# KiCad board demomatrix.kicad_pcb (continued)
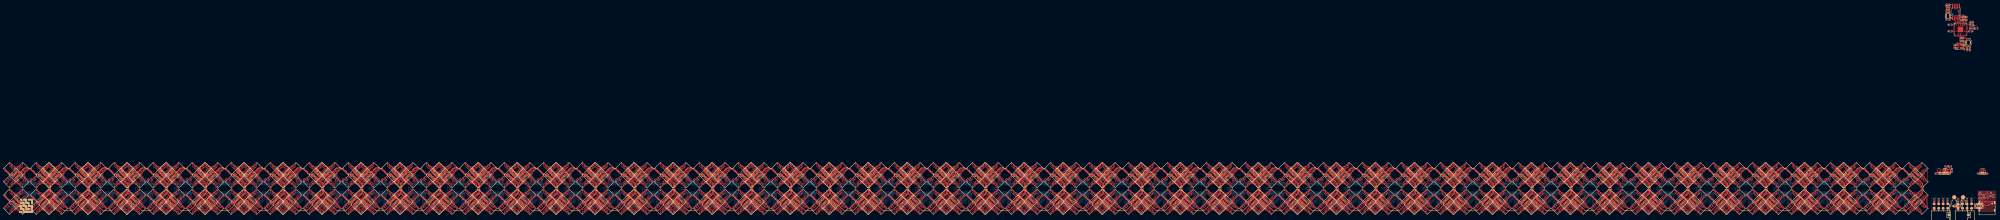
[diagram p0: board, top side]
## Routing (per net, layer and track width the routed paths; a pad name or vN(x,y) marks a point on that pad's centre or on a via; arc(x,y) is an arc through that point) (continued)
rgbs[1]-anodes-anode-457: length 12.6
  Top w0.2: LED570.2 -460.21,12.06 -460.21,10.49 -462.37,8.34 -462.95,8.34 -463.53,8.92 -463.84,8.92 -464.43,8.34 -465.01,8.34 -467.17,10.5 -467.17,12.06 LED569.1
rgbs[1]-anodes-anode-458: length 4
  Top w0.2: LED570.6 -462.1,10.56 -463.12,10.56 -463.56,10.12 -463.82,10.12 -464.27,10.57 -465.47,10.57 LED569.5
rgbs[1]-anodes-anode-459: length 1.7
  Top w0.2: LED569.7 -464.42,9.72 -462.96,9.72 LED570.8
rgbs[1]-anodes-anode-460: length 9.3
  Top w0.2: LED573.3 -451.33,11.2 -451.33,10.22 -449.84,8.74 -449.59,8.74 -449.01,9.32 -448.37,9.32 -447.79,8.74 -447.54,8.74 -446.06,10.22 -446.06,11.21 LED574.4
rgbs[1]-anodes-anode-461: length 12.6
  Top w0.2: LED574.2 -445.21,12.06 -445.21,10.49 -447.37,8.34 -447.95,8.34 -448.53,8.92 -448.84,8.92 -449.43,8.34 -450.01,8.34 -452.17,10.5 -452.17,12.06 LED573.1
rgbs[1]-anodes-anode-462: length 4
  Top w0.2: LED574.6 -447.1,10.56 -448.12,10.56 -448.56,10.12 -448.82,10.12 -449.27,10.57 -450.47,10.57 LED573.5
rgbs[1]-anodes-anode-463: length 1.7
  Top w0.2: LED573.7 -449.42,9.72 -447.96,9.72 LED574.8
rgbs[1]-anodes-anode-464: length 9.3
  Top w0.2: LED577.3 -444.33,26.2 -444.33,25.22 -442.84,23.74 -442.59,23.74 -442.01,24.32 -441.37,24.32 -440.79,23.74 -440.54,23.74 -439.06,25.22 -439.06,26.21 LED578.4
rgbs[1]-anodes-anode-465: length 12.6
  Top w0.2: LED577.1 -445.17,27.06 -445.17,25.5 -443.01,23.34 -442.43,23.34 -441.84,23.92 -441.53,23.92 -440.95,23.34 -440.37,23.34 -438.21,25.49 -438.21,27.06 LED578.2
rgbs[1]-anodes-anode-466: length 4
  Top w0.2: LED578.6 -440.1,25.56 -441.12,25.56 -441.56,25.12 -441.82,25.12 -442.27,25.57 -443.47,25.57 LED577.5
rgbs[1]-anodes-anode-467: length 1.7
  Top w0.2: LED577.7 -442.42,24.72 -440.96,24.72 LED578.8
rgbs[1]-anodes-anode-468: length 9.3
  Top w0.2: LED582.4 -424.06,26.21 -424.06,25.22 -425.54,23.74 -425.79,23.74 -426.37,24.32 -427.01,24.32 -427.59,23.74 -427.84,23.74 -429.33,25.22 -429.33,26.2 LED581.3
rgbs[1]-anodes-anode-469: length 12.6
  Top w0.2: LED582.2 -423.21,27.06 -423.21,25.49 -425.37,23.34 -425.95,23.34 -426.53,23.92 -426.84,23.92 -427.43,23.34 -428.01,23.34 -430.17,25.5 -430.17,27.06 LED581.1
rgbs[1]-anodes-anode-470: length 4
  Top w0.2: LED581.5 -428.47,25.57 -427.27,25.57 -426.82,25.12 -426.56,25.12 -426.12,25.56 -425.1,25.56 LED582.6
rgbs[1]-anodes-anode-471: length 1.7
  Top w0.2: LED582.8 -425.96,24.72 -427.42,24.72 LED581.7
rgbs[1]-anodes-anode-472: length 9.3
  Top w0.2: LED585.3 -444.33,11.2 -444.33,10.22 -442.84,8.74 -442.59,8.74 -442.01,9.32 -441.37,9.32 -440.79,8.74 -440.54,8.74 -439.06,10.22 -439.06,11.21 LED586.4
rgbs[1]-anodes-anode-473: length 12.6
  Top w0.2: LED585.1 -445.17,12.06 -445.17,10.5 -443.01,8.34 -442.43,8.34 -441.84,8.92 -441.53,8.92 -440.95,8.34 -440.37,8.34 -438.21,10.49 -438.21,12.06 LED586.2
rgbs[1]-anodes-anode-474: length 4
  Top w0.2: LED585.5 -443.47,10.57 -442.27,10.57 -441.82,10.12 -441.56,10.12 -441.12,10.56 -440.1,10.56 LED586.6
rgbs[1]-anodes-anode-475: length 1.7
  Top w0.2: LED585.7 -442.42,9.72 -440.96,9.72 LED586.8
rgbs[1]-anodes-anode-476: length 9.3
  Top w0.2: LED590.4 -424.06,11.21 -424.06,10.22 -425.54,8.74 -425.79,8.74 -426.37,9.32 -427.01,9.32 -427.59,8.74 -427.84,8.74 -429.33,10.22 -429.33,11.2 LED589.3
rgbs[1]-anodes-anode-477: length 12.6
  Top w0.2: LED589.1 -430.17,12.06 -430.17,10.5 -428.01,8.34 -427.43,8.34 -426.84,8.92 -426.53,8.92 -425.95,8.34 -425.37,8.34 -423.21,10.49 -423.21,12.06 LED590.2
rgbs[1]-anodes-anode-478: length 4
  Top w0.2: LED589.5 -428.47,10.57 -427.27,10.57 -426.82,10.12 -426.56,10.12 -426.12,10.56 -425.1,10.56 LED590.6
rgbs[1]-anodes-anode-479: length 1.7
  Top w0.2: LED590.8 -425.96,9.72 -427.42,9.72 LED589.7
rgbs[1]-anodes-anode-480: length 9.3
  Top w0.2: LED594.4 -417.06,26.21 -417.06,25.22 -418.54,23.74 -418.79,23.74 -419.37,24.32 -420.01,24.32 -420.59,23.74 -420.84,23.74 -422.33,25.22 -422.33,26.2 LED593.3
rgbs[1]-anodes-anode-481: length 12.6
  Top w0.2: LED593.1 -423.17,27.06 -423.17,25.5 -421.01,23.34 -420.43,23.34 -419.84,23.92 -419.53,23.92 -418.95,23.34 -418.37,23.34 -416.21,25.49 -416.21,27.06 LED594.2
rgbs[1]-anodes-anode-482: length 4
  Top w0.2: LED594.6 -418.1,25.56 -419.12,25.56 -419.56,25.12 -419.82,25.12 -420.27,25.57 -421.47,25.57 LED593.5
rgbs[1]-anodes-anode-483: length 1.7
  Top w0.2: LED593.7 -420.42,24.72 -418.96,24.72 LED594.8
rgbs[1]-anodes-anode-484: length 9.3
  Top w0.2: LED597.3 -407.33,26.2 -407.33,25.22 -405.84,23.74 -405.59,23.74 -405.01,24.32 -404.37,24.32 -403.79,23.74 -403.54,23.74 -402.06,25.22 -402.06,26.21 LED598.4
rgbs[1]-anodes-anode-485: length 12.6
  Top w0.2: LED598.2 -401.21,27.06 -401.21,25.49 -403.37,23.34 -403.95,23.34 -404.53,23.92 -404.84,23.92 -405.43,23.34 -406.01,23.34 -408.17,25.5 -408.17,27.06 LED597.1
rgbs[1]-anodes-anode-486: length 4
  Top w0.2: LED597.5 -406.47,25.57 -405.27,25.57 -404.82,25.12 -404.56,25.12 -404.12,25.56 -403.1,25.56 LED598.6
rgbs[1]-anodes-anode-487: length 1.7
  Top w0.2: LED597.7 -405.42,24.72 -403.96,24.72 LED598.8
rgbs[1]-anodes-anode-488: length 9.3
  Top w0.2: LED601.3 -422.33,11.2 -422.33,10.22 -420.84,8.74 -420.59,8.74 -420.01,9.32 -419.37,9.32 -418.79,8.74 -418.54,8.74 -417.06,10.22 -417.06,11.21 LED602.4
rgbs[1]-anodes-anode-489: length 12.6
  Top w0.2: LED601.1 -423.17,12.06 -423.17,10.5 -421.01,8.34 -420.43,8.34 -419.84,8.92 -419.53,8.92 -418.95,8.34 -418.37,8.34 -416.21,10.49 -416.21,12.06 LED602.2
rgbs[1]-anodes-anode-490: length 4
  Top w0.2: LED601.5 -421.47,10.57 -420.27,10.57 -419.82,10.12 -419.56,10.12 -419.12,10.56 -418.1,10.56 LED602.6
rgbs[1]-anodes-anode-491: length 1.7
  Top w0.2: LED602.8 -418.96,9.72 -420.42,9.72 LED601.7
rgbs[1]-anodes-anode-492: length 9.3
  Top w0.2: LED606.4 -402.06,11.21 -402.06,10.22 -403.54,8.74 -403.79,8.74 -404.37,9.32 -405.01,9.32 -405.59,8.74 -405.84,8.74 -407.33,10.22 -407.33,11.2 LED605.3
rgbs[1]-anodes-anode-493: length 12.6
  Top w0.2: LED606.2 -401.21,12.06 -401.21,10.49 -403.37,8.34 -403.95,8.34 -404.53,8.92 -404.84,8.92 -405.43,8.34 -406.01,8.34 -408.17,10.5 -408.17,12.06 LED605.1
rgbs[1]-anodes-anode-494: length 4
  Top w0.2: LED606.6 -403.1,10.56 -404.12,10.56 -404.56,10.12 -404.82,10.12 -405.27,10.57 -406.47,10.57 LED605.5
rgbs[1]-anodes-anode-495: length 1.7
  Top w0.2: LED606.8 -403.96,9.72 -405.42,9.72 LED605.7
rgbs[1]-anodes-anode-496: length 9.3
  Top w0.2: LED610.4 -395.06,26.21 -395.06,25.22 -396.54,23.74 -396.79,23.74 -397.37,24.32 -398.01,24.32 -398.59,23.74 -398.84,23.74 -400.33,25.22 -400.33,26.2 LED609.3
rgbs[1]-anodes-anode-497: length 12.6
  Top w0.2: LED609.1 -401.17,27.06 -401.17,25.5 -399.01,23.34 -398.43,23.34 -397.84,23.92 -397.53,23.92 -396.95,23.34 -396.37,23.34 -394.21,25.49 -394.21,27.06 LED610.2
rgbs[1]-anodes-anode-498: length 4
  Top w0.2: LED609.5 -399.47,25.57 -398.27,25.57 -397.82,25.12 -397.56,25.12 -397.12,25.56 -396.1,25.56 LED610.6
rgbs[1]-anodes-anode-499: length 1.7
  Top w0.2: LED609.7 -398.42,24.72 -396.96,24.72 LED610.8
rgbs[1]-anodes-anode-500: length 9.3
  Top w0.2: LED613.3 -385.33,26.2 -385.33,25.22 -383.84,23.74 -383.59,23.74 -383.01,24.32 -382.37,24.32 -381.79,23.74 -381.54,23.74 -380.06,25.22 -380.06,26.21 LED614.4
rgbs[1]-anodes-anode-501: length 12.6
  Top w0.2: LED614.2 -379.21,27.06 -379.21,25.49 -381.37,23.34 -381.95,23.34 -382.53,23.92 -382.84,23.92 -383.43,23.34 -384.01,23.34 -386.17,25.5 -386.17,27.06 LED613.1
rgbs[1]-anodes-anode-502: length 4
  Top w0.2: LED614.6 -381.1,25.56 -382.12,25.56 -382.56,25.12 -382.82,25.12 -383.27,25.57 -384.47,25.57 LED613.5
rgbs[1]-anodes-anode-503: length 1.7
  Top w0.2: LED614.8 -381.96,24.72 -383.42,24.72 LED613.7
rgbs[1]-anodes-anode-504: length 9.3
  Top w0.2: LED617.3 -400.33,11.2 -400.33,10.22 -398.84,8.74 -398.59,8.74 -398.01,9.32 -397.37,9.32 -396.79,8.74 -396.54,8.74 -395.06,10.22 -395.06,11.21 LED618.4
rgbs[1]-anodes-anode-505: length 12.6
  Top w0.2: LED617.1 -401.17,12.06 -401.17,10.5 -399.01,8.34 -398.43,8.34 -397.84,8.92 -397.53,8.92 -396.95,8.34 -396.37,8.34 -394.21,10.49 -394.21,12.06 LED618.2
rgbs[1]-anodes-anode-506: length 4
  Top w0.2: LED618.6 -396.1,10.56 -397.12,10.56 -397.56,10.12 -397.82,10.12 -398.27,10.57 -399.47,10.57 LED617.5
rgbs[1]-anodes-anode-507: length 1.7
  Top w0.2: LED617.7 -398.42,9.72 -396.96,9.72 LED618.8
rgbs[1]-anodes-anode-508: length 9.3
  Top w0.2: LED621.3 -385.33,11.2 -385.33,10.22 -383.84,8.74 -383.59,8.74 -383.01,9.32 -382.37,9.32 -381.79,8.74 -381.54,8.74 -380.06,10.22 -380.06,11.21 LED622.4
rgbs[1]-anodes-anode-509: length 12.6
  Top w0.2: LED622.2 -379.21,12.06 -379.21,10.49 -381.37,8.34 -381.95,8.34 -382.53,8.92 -382.84,8.92 -383.43,8.34 -384.01,8.34 -386.17,10.5 -386.17,12.06 LED621.1
rgbs[1]-anodes-anode-510: length 4
  Top w0.2: LED622.6 -381.1,10.56 -382.12,10.56 -382.56,10.12 -382.82,10.12 -383.27,10.57 -384.47,10.57 LED621.5
rgbs[1]-anodes-anode-511: length 1.7
  Top w0.2: LED621.7 -383.42,9.72 -381.96,9.72 LED622.8
rgbs[1]-anodes-anode-512: length 9.3
  Top w0.2: LED625.3 -378.33,26.2 -378.33,25.22 -376.84,23.74 -376.59,23.74 -376.01,24.32 -375.37,24.32 -374.79,23.74 -374.54,23.74 -373.06,25.22 -373.06,26.21 LED626.4
rgbs[1]-anodes-anode-513: length 12.6
  Top w0.2: LED625.1 -379.17,27.06 -379.17,25.5 -377.01,23.34 -376.43,23.34 -375.84,23.92 -375.53,23.92 -374.95,23.34 -374.37,23.34 -372.21,25.49 -372.21,27.06 LED626.2
rgbs[1]-anodes-anode-514: length 4
  Top w0.2: LED625.5 -377.47,25.57 -376.27,25.57 -375.82,25.12 -375.56,25.12 -375.12,25.56 -374.1,25.56 LED626.6
rgbs[1]-anodes-anode-515: length 1.7
  Top w0.2: LED625.7 -376.42,24.72 -374.96,24.72 LED626.8
rgbs[1]-anodes-anode-516: length 9.3
  Top w0.2: LED629.3 -363.33,26.2 -363.33,25.22 -361.84,23.74 -361.59,23.74 -361.01,24.32 -360.37,24.32 -359.79,23.74 -359.54,23.74 -358.06,25.22 -358.06,26.21 LED630.4
rgbs[1]-anodes-anode-517: length 12.6
  Top w0.2: LED629.1 -364.17,27.06 -364.17,25.5 -362.01,23.34 -361.43,23.34 -360.84,23.92 -360.53,23.92 -359.95,23.34 -359.37,23.34 -357.21,25.49 -357.21,27.06 LED630.2
rgbs[1]-anodes-anode-518: length 4
  Top w0.2: LED630.6 -359.1,25.56 -360.12,25.56 -360.56,25.12 -360.82,25.12 -361.27,25.57 -362.47,25.57 LED629.5
rgbs[1]-anodes-anode-519: length 1.7
  Top w0.2: LED629.7 -361.42,24.72 -359.96,24.72 LED630.8
rgbs[1]-anodes-anode-520: length 9.3
  Top w0.2: LED634.4 -373.06,11.21 -373.06,10.22 -374.54,8.74 -374.79,8.74 -375.37,9.32 -376.01,9.32 -376.59,8.74 -376.84,8.74 -378.33,10.22 -378.33,11.2 LED633.3
rgbs[1]-anodes-anode-521: length 12.6
  Top w0.2: LED633.1 -379.17,12.06 -379.17,10.5 -377.01,8.34 -376.43,8.34 -375.84,8.92 -375.53,8.92 -374.95,8.34 -374.37,8.34 -372.21,10.49 -372.21,12.06 LED634.2
rgbs[1]-anodes-anode-522: length 4
  Top w0.2: LED634.6 -374.1,10.56 -375.12,10.56 -375.56,10.12 -375.82,10.12 -376.27,10.57 -377.47,10.57 LED633.5
rgbs[1]-anodes-anode-523: length 1.7
  Top w0.2: LED633.7 -376.42,9.72 -374.96,9.72 LED634.8
rgbs[1]-anodes-anode-524: length 9.3
  Top w0.2: LED637.3 -363.33,11.2 -363.33,10.22 -361.84,8.74 -361.59,8.74 -361.01,9.32 -360.37,9.32 -359.79,8.74 -359.54,8.74 -358.06,10.22 -358.06,11.21 LED638.4
rgbs[1]-anodes-anode-525: length 12.6
  Top w0.2: LED638.2 -357.21,12.06 -357.21,10.49 -359.37,8.34 -359.95,8.34 -360.53,8.92 -360.84,8.92 -361.43,8.34 -362.01,8.34 -364.17,10.5 -364.17,12.06 LED637.1
rgbs[1]-anodes-anode-526: length 4
  Top w0.2: LED637.5 -362.47,10.57 -361.27,10.57 -360.82,10.12 -360.56,10.12 -360.12,10.56 -359.1,10.56 LED638.6
rgbs[1]-anodes-anode-527: length 1.7
  Top w0.2: LED638.8 -359.96,9.72 -361.42,9.72 LED637.7
rgbs[1]-anodes-anode-528: length 9.3
  Top w0.2: LED49.3 -356.33,26.2 -356.33,25.22 -354.84,23.74 -354.59,23.74 -354.01,24.32 -353.37,24.32 -352.79,23.74 -352.54,23.74 -351.06,25.22 -351.06,26.21 LED50.4
rgbs[1]-anodes-anode-529: length 12.6
  Top w0.2: LED50.2 -350.21,27.06 -350.21,25.49 -352.37,23.34 -352.95,23.34 -353.53,23.92 -353.84,23.92 -354.43,23.34 -355.01,23.34 -357.17,25.5 -357.17,27.06 LED49.1
rgbs[1]-anodes-anode-530: length 4
  Top w0.2: LED49.5 -355.47,25.57 -354.27,25.57 -353.82,25.12 -353.56,25.12 -353.12,25.56 -352.1,25.56 LED50.6
rgbs[1]-anodes-anode-531: length 1.7
  Top w0.2: LED49.7 -354.42,24.72 -352.96,24.72 LED50.8
rgbs[1]-anodes-anode-532: length 9.3
  Top w0.2: LED54.4 -336.06,26.21 -336.06,25.22 -337.54,23.74 -337.79,23.74 -338.37,24.32 -339.01,24.32 -339.59,23.74 -339.84,23.74 -341.33,25.22 -341.33,26.2 LED53.3
rgbs[1]-anodes-anode-533: length 12.6
  Top w0.2: LED53.1 -342.17,27.06 -342.17,25.5 -340.01,23.34 -339.43,23.34 -338.84,23.92 -338.53,23.92 -337.95,23.34 -337.37,23.34 -335.21,25.49 -335.21,27.06 LED54.2
rgbs[1]-anodes-anode-534: length 4
  Top w0.2: LED53.5 -340.47,25.57 -339.27,25.57 -338.82,25.12 -338.56,25.12 -338.12,25.56 -337.1,25.56 LED54.6
rgbs[1]-anodes-anode-535: length 1.7
  Top w0.2: LED53.7 -339.42,24.72 -337.96,24.72 LED54.8
rgbs[1]-anodes-anode-536: length 9.3
  Top w0.2: LED57.3 -356.33,11.2 -356.33,10.22 -354.84,8.74 -354.59,8.74 -354.01,9.32 -353.37,9.32 -352.79,8.74 -352.54,8.74 -351.06,10.22 -351.06,11.21 LED58.4
rgbs[1]-anodes-anode-537: length 12.6
  Top w0.2: LED57.1 -357.17,12.06 -357.17,10.5 -355.01,8.34 -354.43,8.34 -353.84,8.92 -353.53,8.92 -352.95,8.34 -352.37,8.34 -350.21,10.49 -350.21,12.06 LED58.2
rgbs[1]-anodes-anode-538: length 4
  Top w0.2: LED57.5 -355.47,10.57 -354.27,10.57 -353.82,10.12 -353.56,10.12 -353.12,10.56 -352.1,10.56 LED58.6
rgbs[1]-anodes-anode-539: length 1.7
  Top w0.2: LED58.8 -352.96,9.72 -354.42,9.72 LED57.7
rgbs[1]-anodes-anode-540: length 9.3
  Top w0.2: LED62.4 -336.06,11.21 -336.06,10.22 -337.54,8.74 -337.79,8.74 -338.37,9.32 -339.01,9.32 -339.59,8.74 -339.84,8.74 -341.33,10.22 -341.33,11.2 LED61.3
rgbs[1]-anodes-anode-541: length 12.6
  Top w0.2: LED62.2 -335.21,12.06 -335.21,10.49 -337.37,8.34 -337.95,8.34 -338.53,8.92 -338.84,8.92 -339.43,8.34 -340.01,8.34 -342.17,10.5 -342.17,12.06 LED61.1
rgbs[1]-anodes-anode-542: length 4
  Top w0.2: LED62.6 -337.1,10.56 -338.12,10.56 -338.56,10.12 -338.82,10.12 -339.27,10.57 -340.47,10.57 LED61.5
rgbs[1]-anodes-anode-543: length 1.7
  Top w0.2: LED61.7 -339.42,9.72 -337.96,9.72 LED62.8
rgbs[1]-anodes-anode-544: length 9.3
  Top w0.2: LED642.4 -329.06,26.21 -329.06,25.22 -330.54,23.74 -330.79,23.74 -331.37,24.32 -332.01,24.32 -332.59,23.74 -332.84,23.74 -334.33,25.22 -334.33,26.2 LED641.3
rgbs[1]-anodes-anode-545: length 12.6
  Top w0.2: LED641.1 -335.17,27.06 -335.17,25.5 -333.01,23.34 -332.43,23.34 -331.84,23.92 -331.53,23.92 -330.95,23.34 -330.37,23.34 -328.21,25.49 -328.21,27.06 LED642.2
rgbs[1]-anodes-anode-546: length 4
  Top w0.2: LED641.5 -333.47,25.57 -332.27,25.57 -331.82,25.12 -331.56,25.12 -331.12,25.56 -330.1,25.56 LED642.6
rgbs[1]-anodes-anode-547: length 1.7
  Top w0.2: LED641.7 -332.42,24.72 -330.96,24.72 LED642.8
rgbs[1]-anodes-anode-548: length 9.3
  Top w0.2: LED645.3 -319.33,26.2 -319.33,25.22 -317.84,23.74 -317.59,23.74 -317.01,24.32 -316.37,24.32 -315.79,23.74 -315.54,23.74 -314.06,25.22 -314.06,26.21 LED646.4
rgbs[1]-anodes-anode-549: length 12.6
  Top w0.2: LED646.2 -313.21,27.06 -313.21,25.49 -315.37,23.34 -315.95,23.34 -316.53,23.92 -316.84,23.92 -317.43,23.34 -318.01,23.34 -320.17,25.5 -320.17,27.06 LED645.1
rgbs[1]-anodes-anode-550: length 4
  Top w0.2: LED645.5 -318.47,25.57 -317.27,25.57 -316.82,25.12 -316.56,25.12 -316.12,25.56 -315.1,25.56 LED646.6
rgbs[1]-anodes-anode-551: length 1.7
  Top w0.2: LED646.8 -315.96,24.72 -317.42,24.72 LED645.7
rgbs[1]-anodes-anode-552: length 9.3
  Top w0.2: LED650.4 -329.06,11.21 -329.06,10.22 -330.54,8.74 -330.79,8.74 -331.37,9.32 -332.01,9.32 -332.59,8.74 -332.84,8.74 -334.33,10.22 -334.33,11.2 LED649.3
rgbs[1]-anodes-anode-553: length 12.6
  Top w0.2: LED649.1 -335.17,12.06 -335.17,10.5 -333.01,8.34 -332.43,8.34 -331.84,8.92 -331.53,8.92 -330.95,8.34 -330.37,8.34 -328.21,10.49 -328.21,12.06 LED650.2
rgbs[1]-anodes-anode-554: length 4
  Top w0.2: LED650.6 -330.1,10.56 -331.12,10.56 -331.56,10.12 -331.82,10.12 -332.27,10.57 -333.47,10.57 LED649.5
rgbs[1]-anodes-anode-555: length 1.7
  Top w0.2: LED649.7 -332.42,9.72 -330.96,9.72 LED650.8
rgbs[1]-anodes-anode-556: length 9.3
  Top w0.2: LED653.3 -319.33,11.2 -319.33,10.22 -317.84,8.74 -317.59,8.74 -317.01,9.32 -316.37,9.32 -315.79,8.74 -315.54,8.74 -314.06,10.22 -314.06,11.21 LED654.4
rgbs[1]-anodes-anode-557: length 12.6
  Top w0.2: LED653.1 -320.17,12.06 -320.17,10.5 -318.01,8.34 -317.43,8.34 -316.84,8.92 -316.53,8.92 -315.95,8.34 -315.37,8.34 -313.21,10.49 -313.21,12.06 LED654.2
rgbs[1]-anodes-anode-558: length 4
  Top w0.2: LED654.6 -315.1,10.56 -316.12,10.56 -316.56,10.12 -316.82,10.12 -317.27,10.57 -318.47,10.57 LED653.5
rgbs[1]-anodes-anode-559: length 1.7
  Top w0.2: LED654.8 -315.96,9.72 -317.42,9.72 LED653.7
rgbs[1]-anodes-anode-560: length 9.3
  Top w0.2: LED657.3 -312.33,26.2 -312.33,25.22 -310.84,23.74 -310.59,23.74 -310.01,24.32 -309.37,24.32 -308.79,23.74 -308.54,23.74 -307.06,25.22 -307.06,26.21 LED658.4
rgbs[1]-anodes-anode-561: length 12.6
  Top w0.2: LED657.1 -313.17,27.06 -313.17,25.5 -311.01,23.34 -310.43,23.34 -309.84,23.92 -309.53,23.92 -308.95,23.34 -308.37,23.34 -306.21,25.49 -306.21,27.06 LED658.2
rgbs[1]-anodes-anode-562: length 4
  Top w0.2: LED658.6 -308.1,25.56 -309.12,25.56 -309.56,25.12 -309.82,25.12 -310.27,25.57 -311.47,25.57 LED657.5
rgbs[1]-anodes-anode-563: length 1.7
  Top w0.2: LED657.7 -310.42,24.72 -308.96,24.72 LED658.8
rgbs[1]-anodes-anode-564: length 9.3
  Top w0.2: LED661.3 -297.33,26.2 -297.33,25.22 -295.84,23.74 -295.59,23.74 -295.01,24.32 -294.37,24.32 -293.79,23.74 -293.54,23.74 -292.06,25.22 -292.06,26.21 LED662.4
rgbs[1]-anodes-anode-565: length 12.6
  Top w0.2: LED661.1 -298.17,27.06 -298.17,25.5 -296.01,23.34 -295.43,23.34 -294.84,23.92 -294.53,23.92 -293.95,23.34 -293.37,23.34 -291.21,25.49 -291.21,27.06 LED662.2
rgbs[1]-anodes-anode-566: length 4
  Top w0.2: LED661.5 -296.47,25.57 -295.27,25.57 -294.82,25.12 -294.56,25.12 -294.12,25.56 -293.1,25.56 LED662.6
rgbs[1]-anodes-anode-567: length 1.7
  Top w0.2: LED661.7 -295.42,24.72 -293.96,24.72 LED662.8
rgbs[1]-anodes-anode-568: length 9.3
  Top w0.2: LED665.3 -312.33,11.2 -312.33,10.22 -310.84,8.74 -310.59,8.74 -310.01,9.32 -309.37,9.32 -308.79,8.74 -308.54,8.74 -307.06,10.22 -307.06,11.21 LED666.4
rgbs[1]-anodes-anode-569: length 12.6
  Top w0.2: LED665.1 -313.17,12.06 -313.17,10.5 -311.01,8.34 -310.43,8.34 -309.84,8.92 -309.53,8.92 -308.95,8.34 -308.37,8.34 -306.21,10.49 -306.21,12.06 LED666.2
rgbs[1]-anodes-anode-570: length 4
  Top w0.2: LED666.6 -308.1,10.56 -309.12,10.56 -309.56,10.12 -309.82,10.12 -310.27,10.57 -311.47,10.57 LED665.5
rgbs[1]-anodes-anode-571: length 1.7
  Top w0.2: LED666.8 -308.96,9.72 -310.42,9.72 LED665.7
rgbs[1]-anodes-anode-572: length 9.3
  Top w0.2: LED670.4 -292.06,11.21 -292.06,10.22 -293.54,8.74 -293.79,8.74 -294.37,9.32 -295.01,9.32 -295.59,8.74 -295.84,8.74 -297.33,10.22 -297.33,11.2 LED669.3
rgbs[1]-anodes-anode-573: length 12.6
  Top w0.2: LED669.1 -298.17,12.06 -298.17,10.5 -296.01,8.34 -295.43,8.34 -294.84,8.92 -294.53,8.92 -293.95,8.34 -293.37,8.34 -291.21,10.49 -291.21,12.06 LED670.2
rgbs[1]-anodes-anode-574: length 4
  Top w0.2: LED669.5 -296.47,10.57 -295.27,10.57 -294.82,10.12 -294.56,10.12 -294.12,10.56 -293.1,10.56 LED670.6
rgbs[1]-anodes-anode-575: length 1.7
  Top w0.2: LED669.7 -295.42,9.72 -293.96,9.72 LED670.8
rgbs[1]-anodes-anode-576: length 9.3
  Top w0.2: LED674.4 -285.06,26.21 -285.06,25.22 -286.54,23.74 -286.79,23.74 -287.37,24.32 -288.01,24.32 -288.59,23.74 -288.84,23.74 -290.33,25.22 -290.33,26.2 LED673.3
rgbs[1]-anodes-anode-577: length 12.6
  Top w0.2: LED673.1 -291.17,27.06 -291.17,25.5 -289.01,23.34 -288.43,23.34 -287.84,23.92 -287.53,23.92 -286.95,23.34 -286.37,23.34 -284.21,25.49 -284.21,27.06 LED674.2
rgbs[1]-anodes-anode-578: length 4
  Top w0.2: LED673.5 -289.47,25.57 -288.27,25.57 -287.82,25.12 -287.56,25.12 -287.12,25.56 -286.1,25.56 LED674.6
rgbs[1]-anodes-anode-579: length 1.7
  Top w0.2: LED673.7 -288.42,24.72 -286.96,24.72 LED674.8
rgbs[1]-anodes-anode-580: length 9.3
  Top w0.2: LED678.4 -270.06,26.21 -270.06,25.22 -271.54,23.74 -271.79,23.74 -272.37,24.32 -273.01,24.32 -273.59,23.74 -273.84,23.74 -275.33,25.22 -275.33,26.2 LED677.3
rgbs[1]-anodes-anode-581: length 12.6
  Top w0.2: LED677.1 -276.17,27.06 -276.17,25.5 -274.01,23.34 -273.43,23.34 -272.84,23.92 -272.53,23.92 -271.95,23.34 -271.37,23.34 -269.21,25.49 -269.21,27.06 LED678.2
rgbs[1]-anodes-anode-582: length 4
  Top w0.2: LED678.6 -271.1,25.56 -272.12,25.56 -272.56,25.12 -272.82,25.12 -273.27,25.57 -274.47,25.57 LED677.5
rgbs[1]-anodes-anode-583: length 1.7
  Top w0.2: LED677.7 -273.42,24.72 -271.96,24.72 LED678.8
rgbs[1]-anodes-anode-584: length 9.3
  Top w0.2: LED682.4 -285.06,11.21 -285.06,10.22 -286.54,8.74 -286.79,8.74 -287.37,9.32 -288.01,9.32 -288.59,8.74 -288.84,8.74 -290.33,10.22 -290.33,11.2 LED681.3
rgbs[1]-anodes-anode-585: length 12.6
  Top w0.2: LED681.1 -291.17,12.06 -291.17,10.5 -289.01,8.34 -288.43,8.34 -287.84,8.92 -287.53,8.92 -286.95,8.34 -286.37,8.34 -284.21,10.49 -284.21,12.06 LED682.2
rgbs[1]-anodes-anode-586: length 4
  Top w0.2: LED682.6 -286.1,10.56 -287.12,10.56 -287.56,10.12 -287.82,10.12 -288.27,10.57 -289.47,10.57 LED681.5
rgbs[1]-anodes-anode-587: length 1.7
  Top w0.2: LED682.8 -286.96,9.72 -288.42,9.72 LED681.7
rgbs[1]-anodes-anode-588: length 9.3
  Top w0.2: LED685.3 -275.33,11.2 -275.33,10.22 -273.84,8.74 -273.59,8.74 -273.01,9.32 -272.37,9.32 -271.79,8.74 -271.54,8.74 -270.06,10.22 -270.06,11.21 LED686.4
rgbs[1]-anodes-anode-589: length 12.6
  Top w0.2: LED686.2 -269.21,12.06 -269.21,10.49 -271.37,8.34 -271.95,8.34 -272.53,8.92 -272.84,8.92 -273.43,8.34 -274.01,8.34 -276.17,10.5 -276.17,12.06 LED685.1
rgbs[1]-anodes-anode-590: length 4
  Top w0.2: LED686.6 -271.1,10.56 -272.12,10.56 -272.56,10.12 -272.82,10.12 -273.27,10.57 -274.47,10.57 LED685.5
rgbs[1]-anodes-anode-591: length 1.7
  Top w0.2: LED685.7 -273.42,9.72 -271.96,9.72 LED686.8
rgbs[1]-anodes-anode-592: length 9.3
  Top w0.2: LED689.3 -268.33,26.2 -268.33,25.22 -266.84,23.74 -266.59,23.74 -266.01,24.32 -265.37,24.32 -264.79,23.74 -264.54,23.74 -263.06,25.22 -263.06,26.21 LED690.4
rgbs[1]-anodes-anode-593: length 12.6
  Top w0.2: LED690.2 -262.21,27.06 -262.21,25.49 -264.37,23.34 -264.95,23.34 -265.53,23.92 -265.84,23.92 -266.43,23.34 -267.01,23.34 -269.17,25.5 -269.17,27.06 LED689.1
rgbs[1]-anodes-anode-594: length 4
  Top w0.2: LED689.5 -267.47,25.57 -266.27,25.57 -265.82,25.12 -265.56,25.12 -265.12,25.56 -264.1,25.56 LED690.6
rgbs[1]-anodes-anode-595: length 1.7
  Top w0.2: LED689.7 -266.42,24.72 -264.96,24.72 LED690.8
rgbs[1]-anodes-anode-596: length 9.3
  Top w0.2: LED693.3 -253.33,26.2 -253.33,25.22 -251.84,23.74 -251.59,23.74 -251.01,24.32 -250.37,24.32 -249.79,23.74 -249.54,23.74 -248.06,25.22 -248.06,26.21 LED694.4
rgbs[1]-anodes-anode-597: length 12.6
  Top w0.2: LED694.2 -247.21,27.06 -247.21,25.49 -249.37,23.34 -249.95,23.34 -250.53,23.92 -250.84,23.92 -251.43,23.34 -252.01,23.34 -254.17,25.5 -254.17,27.06 LED693.1
rgbs[1]-anodes-anode-598: length 4
  Top w0.2: LED694.6 -249.1,25.56 -250.12,25.56 -250.56,25.12 -250.82,25.12 -251.27,25.57 -252.47,25.57 LED693.5
rgbs[1]-anodes-anode-599: length 1.7
  Top w0.2: LED694.8 -249.96,24.72 -251.42,24.72 LED693.7
rgbs[1]-anodes-anode-600: length 9.3
  Top w0.2: LED697.3 -268.33,11.2 -268.33,10.22 -266.84,8.74 -266.59,8.74 -266.01,9.32 -265.37,9.32 -264.79,8.74 -264.54,8.74 -263.06,10.22 -263.06,11.21 LED698.4
rgbs[1]-anodes-anode-601: length 12.6
  Top w0.2: LED697.1 -269.17,12.06 -269.17,10.5 -267.01,8.34 -266.43,8.34 -265.84,8.92 -265.53,8.92 -264.95,8.34 -264.37,8.34 -262.21,10.49 -262.21,12.06 LED698.2
rgbs[1]-anodes-anode-602: length 4
  Top w0.2: LED698.6 -264.1,10.56 -265.12,10.56 -265.56,10.12 -265.82,10.12 -266.27,10.57 -267.47,10.57 LED697.5
rgbs[1]-anodes-anode-603: length 1.7
  Top w0.2: LED697.7 -266.42,9.72 -264.96,9.72 LED698.8
rgbs[1]-anodes-anode-604: length 9.3
  Top w0.2: LED702.4 -248.06,11.21 -248.06,10.22 -249.54,8.74 -249.79,8.74 -250.37,9.32 -251.01,9.32 -251.59,8.74 -251.84,8.74 -253.33,10.22 -253.33,11.2 LED701.3
rgbs[1]-anodes-anode-605: length 12.6
  Top w0.2: LED701.1 -254.17,12.06 -254.17,10.5 -252.01,8.34 -251.43,8.34 -250.84,8.92 -250.53,8.92 -249.95,8.34 -249.37,8.34 -247.21,10.49 -247.21,12.06 LED702.2
rgbs[1]-anodes-anode-606: length 4
  Top w0.2: LED702.6 -249.1,10.56 -250.12,10.56 -250.56,10.12 -250.82,10.12 -251.27,10.57 -252.47,10.57 LED701.5
rgbs[1]-anodes-anode-607: length 1.7
  Top w0.2: LED701.7 -251.42,9.72 -249.96,9.72 LED702.8
rgbs[1]-anodes-anode-608: length 9.3
  Top w0.2: LED705.3 -246.33,26.2 -246.33,25.22 -244.84,23.74 -244.59,23.74 -244.01,24.32 -243.37,24.32 -242.79,23.74 -242.54,23.74 -241.06,25.22 -241.06,26.21 LED706.4
rgbs[1]-anodes-anode-609: length 12.6
  Top w0.2: LED706.2 -240.21,27.06 -240.21,25.49 -242.37,23.34 -242.95,23.34 -243.53,23.92 -243.84,23.92 -244.43,23.34 -245.01,23.34 -247.17,25.5 -247.17,27.06 LED705.1
rgbs[1]-anodes-anode-610: length 4
  Top w0.2: LED705.5 -245.47,25.57 -244.27,25.57 -243.82,25.12 -243.56,25.12 -243.12,25.56 -242.1,25.56 LED706.6
